# KiCad board beaglebone-ai.kicad_pcb (continued)
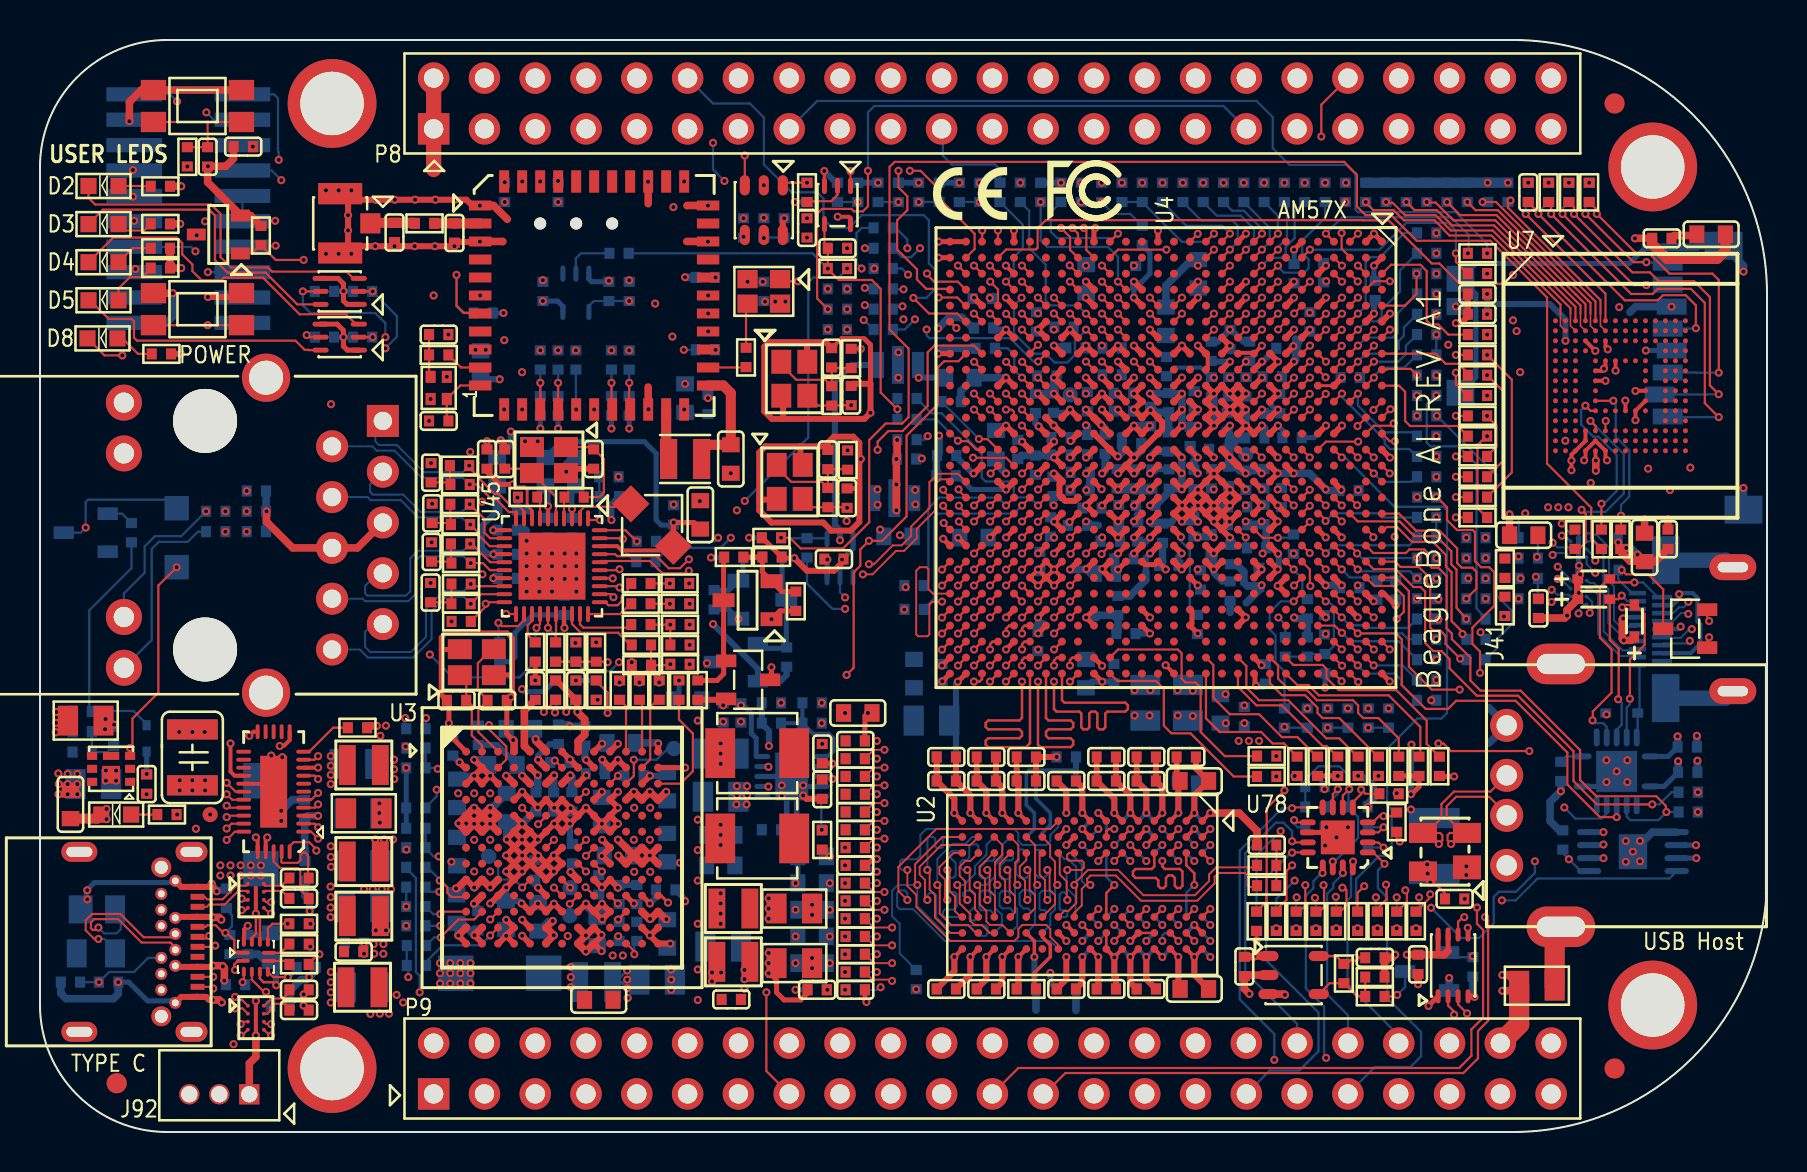
[diagram p0: board, top side]
## Nets
1V8_PHY_HDMI: C116.1 C149.1 C159.1 FB6.2 U4.AA16 U4.AA17 U4.W14 U4.Y17
1V8_PHY_LDO3: C121.1 FL1.1 U3.K11
1V8_PHY_LDO4: C117.1 FB6.1 U3.K12
1V8_PHY_SATA: C37.1 C163.1 C184.1 FL1.3 U4.AA13 U4.AB12 U4.V13 U4.W12
1V8_PLL: C123.1 C157.1 FL2.1 U3.B5 U4.AD16 U4.AE16
1V8_PLLA: C189.1 C199.1 C202.1 C207.1 C216.1 FL2.3 U4.M14 U4.N11 U4.N12 U4.N16 U4.P14 U4.P15 U4.P16 U4.R14 U4.R17
1V8_RTC: C38.1 R27.1 R150.1 R155.1 R157.1 U3.A8
3V3_AVDD_MII0: C346.1 C347.1 FB2.2 U45.14
3V3_SD: C151.1 C492.1 Q1.2 R8.1 R9.1 R418.1 R419.1 R420.1 R421.1 R422.1 R423.1 R424.1 U3.C6 U4.W8 U4.Y8
3V3_USB: C134.1 C148.1 U3.B9 U4.AA12 U4.Y12
GND_OSC0: C13.2 C14.2 R7.2 U4.AF15 X7.2 X7.4
GND_OSC1: C15.2 C16.2 R10.2 U4.AC14 X8.2 X8.4
GNDPWR: J37.15 J37.16 J41.5 J41.6 J42.1 J42.2 J42.3 J42.4 J90.10 J90.11 J90.12 J90.13 J91.20 J91.21 J91.22 J91.23 MH1.1 MH2.1 MH3.1 MH4.1 R640.2 R699.1
VDD_1V8: C136.1 C146.1 C152.1 C154.1 C165.1 C174.1 C198.1 C201.1 C210.1 C235.1 C299.1 D6.1 D7.1 Q1.3 Q4.3 R17.1 R91.1 R702.1 U3.B6 U4.AA7 U4.AA18 U4.AA19 U4.AB13 U4.G18 U4.H17 U4.J21 U4.J22 U4.M8 U4.M9 U4.N8 U4.N21 U4.P8 U4.P20 U4.P21 U4.R8 U4.T8 U4.V21 U4.V22 U4.W17 U4.W18 U4.W21 U4.Y7 U4.Y21
VDD_3V3: C2.1 C79.1 C88.1 C122.1 C125.1 C130.1 C145.1 C155.1 C161.1 C186.1 C192.1 C208.1 C245.1 C259.1 C261.1 C269.1 C270.1 C271.1 C272.1 C278.1 C286.1 C300.1 C325.1 C344.1 C345.1 C353.2 C439.1 C440.1 C461.1 C472.1 C491.1 C494.1 C498.1 FB2.1 FB5.1 J90.4 L22.2 OSC1.4 P2.5 P9.3 P9.4 Q4.2 R3.1 R4.1 R24.2 R38.1 R44.1 R54.1 R74.2 R82.2 R85.1 R87.1 R124.2 R134.2 R156.1 R162.1 R164.1 R168.1 R169.1 R173.1 R174.2 R180.2 R192.2 R193.2 R194.2 R338.1 R409.1 R455.1 R475.1 R481.2 R484.2 R485.2 R486.2 R491.2 R516.2 R530.1 R531.1 R541.1 R545.1 R546.1 R560.1 R561.1 R562.1 R563.1 R564.1 R565.1 R588.2 R590.1 R591.1 R592.1 R593.1 R594.1 R611.2 R689.1 R692.1 R693.1 R701.1 R703.1 R704.1 R705.1 U1.10 U3.D9 U3.J8 U4.AB6 U4.AB7 U4.AD5 U4.AD7 U4.AE7 U4.AF5 U4.B6 U4.B23 U4.C24 U4.D10 U4.D16 U4.D22 U4.E3 U4.E5 U4.E10 U4.E16 U4.E22 U4.G4 U4.G5 U4.G15 U4.H8 U4.H9 U4.H10 U4.H11 U4.H15 U4.H16 U4.H18 U4.H19 U4.N4 U4.N5 U4.P10 U4.R7 U4.R10 U4.T4 U4.T5 U4.U10 U4.V12 U4.W4 U4.W5 U6.5 U7.E6 U7.F5 U7.J10 U7.K9 U8.5 U10.6 U12.1 U37.9 U40.3 U45.3 U46.7 U46.8 U72.3 U72.9 U72.12 U72.16 U72.20 U72.29 U90.5
VDD_5V: C113.1 C114.1 C115.1 C126.1 C127.1 C128.1 C132.1 C139.1 C156.1 C164.1 C169.1 C170.1 C172.1 C194.1 C195.1 C196.1 C441.1 C442.1 C489.2 C497.1 D81.2 D82.2 P9.7 P9.8 R108.1 R130.1 U3.A6 U3.A9 U3.A10 U3.C4 U3.C5 U3.C7 U3.D11 U3.D12 U3.D13 U3.E1 U3.E2 U3.E3 U3.F1 U3.F2 U3.F3 U3.G11 U3.G12 U3.G13 U3.H11 U3.H12 U3.H13 U3.J1 U3.J2 U3.J3 U3.L12 U3.L13 U3.M4 U3.M6 U3.M8 U3.M9 U3.N3 U3.N4 U3.N6 U3.N8 U3.N9 U12.14 U22.12 U40.1 U48.2 U48.3
VDD_ADC: C490.1 P9.32 R656.2 U40.5
VDD_ADC_SEL: Q17.1 R659.1 U4.AD3
VDD_CAPE_5V: D82.1 P9.5 P9.6 Q19.1
VDD_CORE: C138.1 C176.1 C178.1 C185.1 C187.1 C190.1 C193.1 C200.1 C203.1 C218.1 C236.1 C242.1 C258.1 C266.1 C297.1 L20.2 U3.B1 U4.AB15 U4.H13 U4.H14 U4.J17 U4.J18 U4.L7 U4.L8 U4.N10 U4.N13 U4.P11 U4.P12 U4.P13 U4.R11 U4.R16 U4.R19 U4.T13 U4.T16 U4.T19 U4.U8 U4.U9 U4.U13 U4.U16 U4.V8 U4.V16
VDD_DDR: C4.1 C5.1 C9.1 C10.1 C11.1 C12.1 C17.1 C18.1 C19.1 C22.1 C23.1 C24.1 C25.1 C26.1 C36.1 C39.1 C40.1 C49.1 C58.1 C60.1 C61.1 C89.1 C94.1 C95.1 C97.1 C99.1 C100.1 C101.1 C102.1 C103.1 C104.1 C118.1 C119.1 C120.1 C124.1 C131.1 C140.1 C141.1 C143.1 C162.1 C166.1 C180.1 C211.1 C213.1 C224.1 C225.1 C227.1 C230.1 C231.1 C237.1 C262.1 C295.1 C462.1 L16.2 R2.1 R671.1 R672.1 R673.1 R674.1 R675.1 U1.2 U2.A1 U2.A8 U2.B2 U2.C1 U2.C9 U2.D2 U2.D9 U2.E9 U2.F1 U2.G7 U2.H2 U2.H9 U2.K2 U2.K8 U2.N1 U2.N9 U2.R1 U2.R9 U3.K13 U4.AA21 U4.AA22 U4.AB21 U4.AB22 U4.AB24 U4.AB25 U4.AC22 U4.AD26 U4.AG20 U4.AG28 U4.AH27 U4.E24 U4.G22 U4.G23 U4.H20 U4.H21 U4.H22 U4.J27 U4.L20 U4.L21 U4.M20 U4.M21 U4.T24 U4.T25 U4.W16 U4.W27 U11.A1 U11.A8 U11.B2 U11.C1 U11.C9 U11.D2 U11.D9 U11.E9 U11.F1 U11.G7 U11.H2 U11.H9 U11.K2 U11.K8 U11.N1 U11.N9 U11.R1 U11.R9
VDD_DIMM: C281.1 C283.1 U7.C2
VDD_DSPEVE: C215.1 C217.1 C220.1 C232.1 C233.1 C234.1 C256.1 C257.1 C263.1 C265.1 C298.1 L17.2 L18.2 U3.K2 U4.J13 U4.K10 U4.K11 U4.K12 U4.K13 U4.L10 U4.L11 U4.L12 U4.M10 U4.M11 U4.M12 U4.M13
VDD_EMMC: C282.1 C285.1 C496.1 R175.1 R176.1 R177.1 R178.1 R179.1 R184.1 R185.1 R186.1 R188.1 R702.2 R703.2 U4.J8 U4.K8 U7.C6 U7.M4 U7.N4 U7.P3 U7.P5
VDD_GPU: C171.1 C177.1 C182.1 C183.1 C238.1 C255.1 C264.1 L19.2 U3.K6 U4.U11 U4.U12 U4.V10 U4.V11 U4.V14 U4.W10 U4.W11 U4.W13
VDD_IVA: C93.1 C110.1 C175.1 C181.1 C296.1 L21.2 U3.L11 U4.U18 U4.U19 U4.V18 U4.V19
VDD_MPU: C96.1 C105.1 C111.1 C112.1 C168.1 C188.1 C197.1 C205.1 C206.1 C212.1 C221.1 C222.1 C223.1 C293.1 C294.1 L1.2 L2.2 U3.B13 U4.K17 U4.K18 U4.L15 U4.L16 U4.L17 U4.L18 U4.L19 U4.M15 U4.M16 U4.M17 U4.M18 U4.N17 U4.N18 U4.P17 U4.P18 U4.R18
VDD_RTC: C43.1 U3.A5
VDD_TYPEC: C480.1 C481.1 C482.1 C483.1 D81.1 Q15.1 Q15.2 Q15.5 Q15.6 Q15.7 Q19.2 R555.2
VDD_VREF_IN: C1.1 R1.1 R2.2 U1.1
/ADC_TF_Debug/UART1_RX: J92.2 U46.2
/ADC_TF_Debug/UART1_TX: J92.3 U46.3
/AM572x Interfaces/AM572x Interface 1/MII0_TX_CLK: R97.1 U4.W9
/AM572x Interfaces/AM572x Interface 1/MII0_TX_EN: R96.1 U4.V9
/AM572x Interfaces/AM572x Interface 1/MII0_TXD0: R92.1 U4.U6
/AM572x Interfaces/AM572x Interface 1/MII0_TXD1: R93.1 U4.V6
/AM572x Interfaces/AM572x Interface 1/MII0_TXD2: R94.1 U4.U7
/AM572x Interfaces/AM572x Interface 1/MII0_TXD3: R95.1 U4.V7
/AM572x Interfaces/AM572x Interface 1/PR2_MII0_RXD2: R608.1 U4.A19
/AM572x SYSTEM/MR_L: R595.1 U10.3
/AM572x SYSTEM/OSC0_IN: C13.1 R11.2 U4.AE15 X7.3
/AM572x SYSTEM/OSC0_OUT: R14.2 U4.AD15
/AM572x SYSTEM/OSC1_IN: C15.1 R12.2 U4.AC15 X8.3
/AM572x SYSTEM/OSC1_OUT: R15.2 U4.AC13
/AM572x SYSTEM/PORZ: C321.1 R595.2 S1.2 S1.4
/AM572x SYSTEM/PORZn: R70.2 U4.F22
/AM572x SYSTEM/RESETn: C267.1 R169.2 R642.1 U4.E23
/AM572x SYSTEM/RSTN: R83.1 U6.2
/AM572x SYSTEM/RSTOUTn: R57.1 U4.F23 U8.2
/AM572x SYSTEM/RTC_PORZn: C80.1 R70.1 R89.2 R90.2 R680.1 U6.4
/AM572x SYSTEM/SYS_WARMRESETn: P2.15 R642.2
/DDR/DDR Part 1/DDR1_D0: U4.AF25 U11.E3
/DDR/DDR Part 1/DDR1_D1: U4.AF26 U11.F2
/DDR/DDR Part 1/DDR1_D2: U4.AG26 U11.H7
/DDR/DDR Part 1/DDR1_D3: U4.AH26 U11.H8
/DDR/DDR Part 1/DDR1_D4: U4.AF24 U11.G2
/DDR/DDR Part 1/DDR1_D5: U4.AE24 U11.H3
/DDR/DDR Part 1/DDR1_D6: U4.AF23 U11.F7
/DDR/DDR Part 1/DDR1_D7: U4.AE23 U11.F8
/DDR/DDR Part 1/DDR1_D8: U4.AC23 U11.A2
/DDR/DDR Part 1/DDR1_D9: U4.AF27 U11.D7
/DDR/DDR Part 1/DDR1_D10: U4.AG27 U11.B8
/DDR/DDR Part 1/DDR1_D11: U4.AF28 U11.C8
/DDR/DDR Part 1/DDR1_D12: U4.AE26 U11.C3
/DDR/DDR Part 1/DDR1_D13: U4.AC25 U11.C2
/DDR/DDR Part 1/DDR1_D14: U4.AC24 U11.A7
/DDR/DDR Part 1/DDR1_D15: U4.AD25 U11.A3
/DDR/DDR Part 1/DDR1_D16: U2.H8 U4.V20
/DDR/DDR Part 1/DDR1_D17: U2.H7 U4.W20
/DDR/DDR Part 1/DDR1_D18: U2.E3 U4.AB28
/DDR/DDR Part 1/DDR1_D19: U2.F2 U4.AC28
/DDR/DDR Part 1/DDR1_D20: U2.G2 U4.AC27
/DDR/DDR Part 1/DDR1_D21: U2.F7 U4.Y19
/DDR/DDR Part 1/DDR1_D22: U2.H3 U4.AB27
/DDR/DDR Part 1/DDR1_D23: U2.F8 U4.Y20
/DDR/DDR Part 1/DDR1_D24: U2.A7 U4.AA23
/DDR/DDR Part 1/DDR1_D25: U2.D7 U4.Y22
/DDR/DDR Part 1/DDR1_D26: U2.C8 U4.Y23
/DDR/DDR Part 1/DDR1_D27: U2.C3 U4.AA24
/DDR/DDR Part 1/DDR1_D28: U2.B8 U4.Y24
/DDR/DDR Part 1/DDR1_D29: U2.A2 U4.AA26
/DDR/DDR Part 1/DDR1_D30: U2.A3 U4.AA25
/DDR/DDR Part 1/DDR1_D31: U2.C2 U4.AA28
/DDR/DDR Part 1/DDR1_DQM0: U4.AD23 U11.E7
/DDR/DDR Part 1/DDR1_DQM1: U4.AB23 U11.D3
/DDR/DDR Part 1/DDR1_DQM2: U2.E7 U4.AC26
/DDR/DDR Part 1/DDR1_DQM3: U2.D3 U4.AA27
/DDR/DDR Part 1/DDR1_DQS0: U4.AH25 U11.F3
/DDR/DDR Part 1/DDR1_DQS1: U4.AE27 U11.C7
/DDR/DDR Part 1/DDR1_DQS2: U2.F3 U4.AD27
/DDR/DDR Part 1/DDR1_DQS3: U2.C7 U4.Y28
/DDR/DDR Part 1/DDR1_DQSN0: U4.AG25 U11.G3
/DDR/DDR Part 1/DDR1_DQSN1: U4.AE28 U11.B7
/DDR/DDR Part 1/DDR1_DQSN2: U2.G3 U4.AD28
/DDR/DDR Part 1/DDR1_DQSN3: U2.B7 U4.Y27
/Ethernet/MII0_CLK_25M: R467.1 U45.23
/Ethernet/MII0_LED_10_100: J37.12 R660.2
/Ethernet/MII0_LED_1000: J37.11 R483.1 U45.22
/Ethernet/MII0_LED_ACT: J37.13 R482.1 U45.21
/Ethernet/MII0_LED_YEL: J37.14 R457.1
/Ethernet/MII0_MDC: R470.2 U45.40
/Ethernet/MII0_MDIO: R469.2 U45.39
/Ethernet/MII0_RBIAS: R465.1 U45.7
/Ethernet/MII0_RX_CLK: R466.2 U45.31
/Ethernet/MII0_RX_DV: R464.2 U45.30
/Ethernet/MII0_RXD0: R458.2 U45.29
/Ethernet/MII0_RXD1: R459.2 U45.28
/Ethernet/MII0_RXD2: R460.2 U45.26
/Ethernet/MII0_RXD3: R462.2 U45.25
/Ethernet/MII0_TR0: C338.1 R468.2 R472.2
/Ethernet/MII0_TR1: C341.1 R473.2 R474.2
/Ethernet/MII0_TR2: C342.1 R476.2 R477.2
/Ethernet/MII0_TR3: C343.1 R479.2 R480.2
/Ethernet/MII0_TRN0: J37.2 R472.1 U45.10
/Ethernet/MII0_TRN1: J37.4 R474.1 U45.13
/Ethernet/MII0_TRN2: J37.8 R477.1 U45.16
/Ethernet/MII0_TRN3: J37.10 R480.1 U45.19
/Ethernet/MII0_TRP0: J37.1 R468.1 U45.9
/Ethernet/MII0_TRP1: J37.3 R473.1 U45.12
/Ethernet/MII0_TRP2: J37.7 R476.1 U45.15
/Ethernet/MII0_TRP3: J37.9 R479.1 U45.18
/Ethernet/MII0_XI: C337.1 U45.5 X9.3
/Ethernet/MII0_XO: C334.1 R461.2 X9.1
/Ethernet/MII0_XO_R: R461.1 U45.4
/Ethernet/MII0D_LX: L15.2 U45.2
/Exp Conn/CLKOUT3: P9.41 R579.2 R580.2
/Exp Conn/GPIO4_3: P8.15 R681.2 R682.2
/Exp Conn/GPIO4_18: P9.42 R577.2 R578.2
/Exp Conn/I2C4_SCL: P9.19 R634.2 R635.2
/Exp Conn/I2C4_SDA: P9.20 R638.2 R639.2
/Exp Conn/I2C5_SCL: P9.17 R632.2 R633.2
/Exp Conn/I2C5_SDA: P9.18 R636.2 R637.2
/Exp Conn/LCD_CLK: P8.28 R622.2 R623.2
/Exp Conn/LCD_DATA0: P8.45 R662.2 R663.2
/Exp Conn/LCD_DATA1: P8.46 R664.2 R665.2
/Exp Conn/LCD_DATA8: P8.37 R626.2 R627.2
/Exp Conn/LCD_DATA9: P8.38 R630.2 R631.2
/Exp Conn/LCD_DATA10: P8.36 R685.2 R686.2
/Exp Conn/LCD_DATA11: P8.34 R683.2 R684.2
/Exp Conn/LCD_DATA12: P8.35 R628.2 R629.2
/Exp Conn/LCD_DATA13: P8.33 R614.2 R615.2
/Exp Conn/LCD_DATA14: P8.31 R618.2 R619.2
/Exp Conn/LCD_DATA15: P8.32 R616.2 R617.2
/Exp Conn/LCD_DE: P8.30 R620.2 R621.2
/Exp Conn/LCD_HSYNC: P8.29 R624.2 R625.2
/Exp Conn/LCD_VSYNC: P8.27 R666.2 R667.2
/Exp Conn/MCASP_FSR: P9.27 R668.2 R669.2
/Exp Conn/SPI3_D1: P9.29 R643.2 R644.2
/Exp Conn/SPI3_SCLK: P9.31 R645.2 R646.2
/Exp Conn/UART3_RXD: P9.22 R696.2 R697.2
/Exp Conn/UART3_TXD: P9.21 R694.2 R695.2
/Exp Conn/UART5_RXD: P9.11 R687.2 R688.2
/Exp Conn/UART10_RXD: P9.26 R652.2 R653.2
/HDMI/HDMI_CEC: D25.2 J91.15 U12.12
/HDMI/HDMI_CKN: J91.14 U91.A3
/HDMI/HDMI_CKP: J91.12 U91.A4
/HDMI/HDMI_HDP: D24.2 J91.1 U12.13
/HDMI/HDMI_SCL: D21.2 J91.17 U12.11
/HDMI/HDMI_SDA: D22.2 J91.18 U12.10
/HDMI/HDMI_T0N: J91.11 U91.A1
/HDMI/HDMI_T0P: J91.9 U91.A2
/HDMI/HDMI_T1N: J91.8 U92.A3
/HDMI/HDMI_T1P: J91.6 U92.A4
/HDMI/HDMI_T2N: J91.5 U92.A1
/HDMI/HDMI_T2P: J91.3 U92.A2
/MMC_UBOOT/MMC2_CLK: R202.1 U7.M6
/MMC_UBOOT/MMC2_CMD: R188.2 U4.H6 U7.M5
/MMC_UBOOT/MMC2_DAT0: R186.2 U4.J4 U7.A3
/MMC_UBOOT/MMC2_DAT1: R185.2 U4.J6 U7.A4
/MMC_UBOOT/MMC2_DAT2: R184.2 U4.H4 U7.A5
/MMC_UBOOT/MMC2_DAT3: R179.2 U4.H5 U7.B2
/MMC_UBOOT/MMC2_DAT4: R178.2 U4.K7 U7.B3
/MMC_UBOOT/MMC2_DAT5: R177.2 U4.M7 U7.B4
/MMC_UBOOT/MMC2_DAT6: R176.2 U4.J5 U7.B5
/MMC_UBOOT/MMC2_DAT7: R175.2 U4.K6 U7.B6
/USB/CC1: D46.2 J42.A5 R533.1 U22.1
/USB/CC2: D47.2 J42.B5 R534.1 U22.2
/USB/DC_SW_CTL: C457.2 D77.2 Q15.3 R553.2 R554.1
/USB/DIR: R541.2 U22.4 U72.10 U72.32
/USB/PWR_OV_CTL: D76.2 R551.2 R552.1
/USB/SSRX1+: J42.B11 U88.A3
/USB/SSRX1-: J42.B10 U88.A4
/USB/SSRX1N_A: U72.26 U88.C4
/USB/SSRX1P_A: U72.27 U88.C3
/USB/SSRX2+: J42.A11 U89.A3
/USB/SSRX2-: J42.A10 U89.A4
/USB/SSRX2N_A: U72.22 U89.C4
/USB/SSRX2P_A: U72.23 U89.C3
/USB/SSTX1+: J42.A2 U88.A1
/USB/SSTX1-: J42.A3 U88.A2
/USB/SSTX1N_A: C444.1 U88.C2
/USB/SSTX1N_C: C444.2 U72.30
/USB/SSTX1P_A: C443.1 U88.C1
/USB/SSTX1P_C: C443.2 U72.31
/USB/SSTX2+: J42.B2 U89.A1
/USB/SSTX2-: J42.B3 U89.A2
/USB/SSTX2N_A: C445.1 U89.C2
/USB/SSTX2N_C: C445.2 U72.24
/USB/SSTX2P_A: C446.1 U89.C1
/USB/SSTX2P_C: C446.2 U72.25
/WiFi/LPO_IN_32K: R576.2 U37.24
/WiFi/MMC4_DATA0_R: R336.2 R564.2 U37.18
/WiFi/MMC4_DATA1_R: R337.2 R565.2 U37.19
/WiFi/MMC4_DATA2_R: R333.2 R561.2 U37.14
/WiFi/MMC4_DATA3_R: R334.2 R562.2 U37.15
/WiFi/WIFI/BT_VDDIO: C3.1 R611.1 U37.22
/WiFi/WIFI_LDO_IN: C464.1 L30.2 U37.23
/WiFi/WIFI_LDO_OUT: L30.1 U37.21
/WiFi/X4_XTAL_IN: R294.2 U37.10
/WiFi/X4_XTAL_IN_R: C463.1 R294.1 X4.3
/WiFi/X4_XTAL_OUT: C68.1 U37.11 X4.1
A3_GPIO4_27: R682.1 U4.A3
A5_VOUT1_D12: R628.1 U4.A5
A7_GPIO8_18: P8.17 U4.A7
A8_GPIO8_19: R667.1 U4.A8
A9_GPIO8_21: R624.1 U4.A9
A10_GPIO8_23: R665.1 U4.A10
A11_SPI3_D1: R643.1 U4.A11
A12_SPI3_CS0: P9.28 U4.A12
A13_TIMER10: P8.10 U4.A13
A21_UART8_TXD: R627.1 U4.A21
A22_SPI2_CS1: P9.23 U4.A22
A26_UART3_RXD: R697.1 U4.A26
AB5_MMC3_DATA7: P8.4 U4.AB5
AB8_MMC3_DATA6: P8.3 U4.AB8
AC3_MMC3_DATA3: P8.6 U4.AC3
AC4_MMC3_CMD: P8.20 U4.AC4
AC6_MMC3_DATA1: P8.24 U4.AC6
AC7_MMC3_DATA0: P8.25 U4.AC7
AC8_MMC3_DATA4: P8.23 U4.AC8
AC9_MMC3_DATA2: P8.5 U4.AC9
AD4_MMC3_CLK: P8.21 R585.1
AD6_MMC3_DATA5: P8.22 U4.AD6
AD9_EQEP1A_IN: R629.1 U4.AD9
AE2_GPIO3_24: R653.1 U4.AE2
AF8_TIMER13: R694.1 U4.AF8
AF9_EQEP1B_IN: R615.1 U4.AF9
AG4_GPIO3_12: P9.15 U4.AG4
AG6_GPIO3_10: P8.12 U4.AG6
AH4_GPIO3_11: P8.11 U4.AH4
AIN0: P9.39 U78.13
AIN1: P9.40 U78.16
AIN2: P9.37 U78.1
AIN3: P9.38 U78.15
AIN4: P9.33 U78.12
AIN5: P9.36 U78.11
AIN6: P9.35 U78.8
B3_GPIO4_28: P8.26 U4.B3
B4_GPIO4_29: P8.16 U4.B4
B7_GPIO8_16: R663.1 U4.B7
B8_GPIO8_17: R688.1 U4.B8
B9_GPIO8_22: R621.1 U4.B9
B10_VOUT1_DE: R620.1 U4.B10
B12_SPI3_SCLK: R645.1 U4.B12
B13_SPI3_D0: P9.30 U4.B13
B14_MCASP_ACLKR: P9.12 U4.B14
B19_UART5_RXD: R687.1 U4.B19
B22_UART3_TXD: R695.1 U4.B22
B24_SPI2_CS0: R632.1 U4.B24
B26_TIMER15: R696.1 U4.B26
C1_GPIO4_7: R580.1 U4.C1
C2_GPIO4_14: R578.1 U4.C2
C3_GPIO4_15: R668.1 U4.C3
C5_EHRPWM3B: P9.16 U4.C5
C6_VOUT1_D13: R614.1 U4.C6
C7_VOUT1_D15: R616.1 U4.C7
C8_VOUT1_D14: R619.1 U4.C8
C9_GPIO8_20: R623.1 U4.C9
C11_VOUT1_HSYNC: R625.1 U4.C11
C14_MCASP1_ACLKx: R646.1 U4.C14
C17_UART5_TXD: P9.13 U4.C17
C18_UART8_RXD: R630.1 U4.C18
C23_CLKOUT3: R579.1 U4.C23
D1_GPIO4_3: R681.1 U4.D1
D2_UART8_CTSN: R639.1 U4.D2
D3_EHRPWM2B: P8.13 U4.D3
D5_GPIO4_13: P8.14 U4.D5
D6_EHRPWM3A: P9.14 U4.D6
D7_VOUT1_D10: R685.1 U4.D7
D8_VOUT1_D11: R683.1 U4.D8
D9_VOUT1_D9: R631.1 U4.D9
D11_VOUT1_CLK: R622.1 U4.D11
D14_MCASP1_FSX: R644.1 U4.D14
D17_UART8_RTSN: R617.1 U4.D17
D18_DPIO6_17: P9.25 R584.1
DDR1_A0: R36.2 U2.N3 U4.AD20 U11.N3
DDR1_A1: R137.2 U2.P7 U4.AC19 U11.P7
DDR1_A2: R37.2 U2.P3 U4.AC20 U11.P3
DDR1_A3: R39.2 U2.N2 U4.AB19 U11.N2
DDR1_A4: R136.2 U2.P8 U4.AF21 U11.P8
DDR1_A5: R43.2 U2.P2 U4.AH22 U11.P2
DDR1_A6: R131.2 U2.R8 U4.AG23 U11.R8
DDR1_A7: R160.2 U2.R2 U4.AE21 U11.R2
DDR1_A8: R123.2 U2.T8 U4.AF22 U11.T8
DDR1_A9: R40.2 U2.R3 U4.AE22 U11.R3
DDR1_A10: R125.2 U2.L7 U4.AD21 U11.L7
DDR1_A11: R31.2 U2.R7 U4.AD22 U11.R7
DDR1_A12: R132.2 U2.N7 U4.AC21 U11.N7
DDR1_A13: R142.2 U2.T3 U4.AF18 U11.T3
DDR1_A14: R128.2 U2.T7 U4.AE17 U11.T7
DDR1_A15: R30.2 U2.M7 U4.AD18 U11.M7
DDR1_BA0: R33.2 U2.M2 U4.AF17 U11.M2
DDR1_BA1: R34.2 U2.N8 U4.AE18 U11.N8
DDR1_BA2: R42.2 U2.M3 U4.AB18 U11.M3
DDR1_CASN: R140.2 U2.K3 U4.AC18 U11.K3
DDR1_CKE: R126.2 U2.K9 U4.AG22 U11.K9
DDR1_CLK0: R26.2 U2.J7 U4.AG24 U11.J7
DDR1_CLK0N: R29.2 U2.K7 U4.AH24 U11.K7
DDR1_CSN0: R129.2 U2.L2 U4.AH23 U11.L2
DDR1_ODT0: R161.2 U2.K1 U4.AE20 U11.K1
DDR1_RASN: R25.2 U2.J3 U4.AF20 U11.J3
DDR1_RST: R139.1 U2.T2 U4.AG21 U11.T2
DDR1_WEN: R143.2 U2.L3 U4.AH21 U11.L3
DDR_VREFSTL: C8.1 C20.1 C35.1 C98.1 C99.2 C143.2 C144.1 C158.1 C209.1 U1.6 U2.H1 U2.M8 U4.N22 U4.Y18 U11.H1 U11.M8
E6_EHRPWM2A: P8.19 U4.E6
E7_LCD_DATA7: P8.40 U4.E7
E8_VOUT1_D8: R626.1 U4.E8
E9_LCD_DATA4: P8.41 U4.E9
E11_VOUT1_VSYNC: R666.1 U4.E11
E14_GPIO4_18: R577.1 U4.E14
E17_TIMER14: P8.9 U4.E17
E21_UAR10_RXD: R652.1 U4.E21
Earth: C1.2 C2.2 C3.2 C4.2 C5.2 C6.2 C7.2 C8.2 C9.2 C10.2 C11.2 C12.2 C17.2 C18.2 C19.2 C20.2 C22.2 C23.2 C24.2 C25.2 C26.2 C35.2 C36.2 C37.2 C38.2 C39.2 C40.2 C41.1 C42.1 C43.2 C51.1 C52.1 C58.2 C68.2 C69.2 C79.2 C80.2 C81.2 C87.2 C88.2 C89.2 C90.2 C91.2 C92.2 C93.2 C94.2 C95.2 C96.2 C97.2 C98.2 C100.2 C101.2 C102.2 C103.2 C104.2 C105.2 C106.2 C107.2 C108.2 C109.2 C110.2 C111.2 C112.2 C113.2 C114.2 C115.2 C116.2 C117.2 C118.2 C119.2 C120.2 C121.2 C122.2 C123.2 C124.2 C125.2 C126.2 C127.2 C128.2 C130.2 C131.2 C132.2 C133.2 C134.2 C136.2 C138.2 C139.2 C140.2 C141.2 C144.2 C145.2 C146.2 C147.1 C148.2 C149.2 C151.2 C152.2 C153.1 C154.2 C155.2 C156.2 C157.2 C158.2 C159.2 C161.2 C162.2 C163.2 C164.2 C165.2 C166.2 C168.2 C169.2 C170.2 C171.2 C172.2 C174.2 C175.2 C176.2 C177.2 C178.2 C179.2 C180.2 C181.2 C182.2 C183.2 C184.2 C185.2 C186.2 C187.2 C188.2 C189.2 C190.2 C192.2 C193.2 C194.2 C195.2 C196.2 C197.2 C198.2 C199.2 C200.2 C201.2 C202.2 C203.2 C204.2 C205.2 C206.2 C207.2 C208.2 C209.2 C210.2 C211.2 C212.2 C213.2 C214.2 C215.2 C216.2 C217.2 C218.2 C220.2 C221.2 C222.2 C223.2 C224.2 C226.1 C227.2 C230.2 C231.2 C232.2 C233.2 C234.2 C235.2 C236.2 C237.2 C238.2 C242.2 C245.2 C254.2 C255.2 C256.2 C257.2 C258.2 C259.2 C260.2 C261.2 C262.2 C263.2 C264.2 C265.2 C266.2 C267.2 C268.2 C269.2 C270.2 C271.2 C272.2 C273.2 C274.2 C275.2 C276.2 C277.2 C278.2 C279.2 C281.2 C282.2 C283.2 C285.2 C286.2 C291.2 C292.2 C293.2 C294.2 C295.2 C296.2 C297.2 C298.2 C299.2 C300.2 C320.1 C321.2 C325.2 C326.2 C327.2 C334.2 C335.2 C336.2 C337.2 C338.2 C339.2 C340.2 C341.2 C342.2 C343.2 C344.2 C345.2 C346.2 C347.2 C348.2 C349.2 C350.2 C351.2 C352.2 C353.1 C439.2 C440.2 C441.2 C442.2 C456.2 C461.2 C462.2 C463.2 C464.2 C466.2 C472.2 C473.2 C480.2 C481.2 C482.2 C483.2 C488.2 C489.1 C490.2 C491.2 C492.2 C494.2 C495.2 C496.2 C497.2 C498.2 D1.2 D21.1 D22.1 D23.1 D24.1 D25.1 D46.1 D47.1 D76.1 D78.1 D79.1 FL1.2 FL2.2 J33.2 J33.3 J41.4 J42.A1 J42.A12 J42.B1 J42.B12 J90.6 J91.4 J91.7 J91.10 J91.13 J91.16 J92.1 OSC1.2 P2.4 P2.8 P2.10 P2.12 P2.16 P2.20 P8.1 P8.2 P9.1 P9.2 P9.34 P9.43 P9.44 P9.45 P9.46 Q17.2 Q18.2 R1.2 R7.1 R10.1 R18.1 R19.1 R20.1 R22.1 R58.1 R88.1 R98.2 R99.2 R100.2 R101.2 R102.2 R103.1 R104.1 R107.1 R112.2 R113.1 R119.2 R121.1 R139.2 R147.1 R151.1 R182.2 R183.2 R189.1 R201.2 R387.2 R389.2 R390.2 R392.2 R413.1 R465.2 R467.2 R487.2 R488.1 R489.1 R490.1 R493.2 R533.2 R534.2 R537.2 R554.2 R571.2 R572.1 R596.2 R597.2 R598.2 R599.2 R600.2 R601.2 R602.2 R603.2 R604.2 R605.2 R606.2 R640.1 R657.1 R659.2 R661.2 R670.2 R676.2 R677.2 R678.2 R679.2 R690.2 R691.2 R699.2 R700.2 S1.1 S1.3 S3.1 S3.3 T1.1 T1.4 T2.1 T2.4 U1.4 U1.8 U1.11 U2.A9 U2.B1 U2.B3 U2.B9 U2.D1 U2.D8 U2.E1 U2.E2 U2.E8 U2.F9 U2.G1 U2.G8 U2.G9 U2.J2 U2.J8 U2.M1 U2.M9 U2.P1 U2.P9 U2.T1 U2.T9 U3.A1 U3.A4 U3.A7 U3.A13 U3.B2 U3.B8 U3.B10 U3.B11 U3.C1 U3.C2 U3.C3 U3.C12 U3.D4 U3.D5 U3.D6 U3.D7 U3.D10 U3.E4 U3.E7 U3.E8 U3.E9 U3.E10 U3.F4 U3.F5 U3.F6 U3.F7 U3.F9 U3.F10 U3.G4 U3.G5 U3.G7 U3.G10 U3.H4 U3.H5 U3.H6 U3.H7 U3.H10 U3.J4 U3.J6 U3.J9 U3.J10 U3.K3 U3.L5 U3.L6 U3.L7 U3.L8 U3.L9 U3.L10 U3.M1 U3.M2 U3.M12 U3.M13 U3.N1 U3.N2 U3.N13 U4.A1 U4.A2 U4.A6 U4.A14 U4.A23 U4.A28 U4.AA8 U4.AA9 U4.AA10 U4.AA11 U4.AA14 U4.AA15 U4.AA20 U4.AB11 U4.AB14 U4.AB20 U4.AD1 U4.AD10 U4.AD13 U4.AD19 U4.AD24 U4.AE10 U4.AE13 U4.AE19 U4.AG1 U4.AH1 U4.AH2 U4.AH8 U4.AH20 U4.AH28 U4.B1 U4.D13 U4.D19 U4.E13 U4.E19 U4.F1 U4.F7 U4.G7 U4.G8 U4.G9 U4.H12 U4.J12 U4.J15 U4.J28 U4.K1 U4.K4 U4.K5 U4.K15 U4.K24 U4.K25 U4.L13 U4.L14 U4.M19 U4.N14 U4.N15 U4.N19 U4.N24 U4.N25 U4.P28 U4.R1 U4.R12 U4.R13 U4.R15 U4.R21 U4.T10 U4.T11 U4.T12 U4.T14 U4.T15 U4.T17 U4.T18 U4.T21 U4.U14 U4.U15 U4.U17 U4.U20 U4.U21 U4.V15 U4.V17 U4.W1 U4.W15 U4.W24 U4.W25 U4.W28 U6.3 U7.C4 U7.E7 U7.G5 U7.H10 U7.K8 U7.N2 U7.N5 U7.P4 U7.P6 U8.3 U10.2 U11.A9 U11.B1 U11.B3 U11.B9 U11.D1 U11.D8 U11.E1 U11.E2 U11.E8 U11.F9 U11.G1 U11.G8 U11.G9 U11.J2 U11.J8 U11.M1 U11.M9 U11.P1 U11.P9 U11.T1 U11.T9 U12.7 U12.15 U22.5 U22.10 U22.11 U37.1 U37.3 U37.20 U37.31 U37.33 U37.36 U40.2 U45.41 U46.1 U46.4 U48.1 U48.9 U72.21 U72.28 U72.33 U78.10 U78.17 U88.B1 U88.B2 U89.B1 U89.B2 U90.3 U91.B1 U91.B2 U92.B1 U92.B2 X4.2 X4.4 X6.2 X6.4 X9.2 X9.4
eMMC_RSTn: R56.2 U7.K5
F2_GPIO4_1: R686.1 U4.F2
F4_UART10_RTSN: R635.1 U4.F4
F5_GPIO4_9: P8.18 U4.F5
F8_LCD_DATA6: P8.39 U4.F8
F9_LCD_DATA5: P8.42 U4.F9
F10_LCD_DATA2: P8.43 U4.F10
F11_VOUT1_D0: R662.1 U4.F11
F12_GPIO5_3: R633.1 U4.F12
F14_TIMER12: P8.8 U4.F14
F20_UART10_TXD: P9.24 U4.F20
G6_GPIO4_0: R684.1 U4.G6
G10_VOUT1_D1: R664.1 U4.G10
G11_LCD_DATA3: P8.44 U4.G11
G12_GPIO5_2: R636.1 U4.G12
G14_TIMER11: P8.7 U4.G14
G16_UART8_CTSN: R618.1 U4.G16
G17_SPI2_D0: R637.1 U4.G17
GPIO3_7: Q18.1 R700.1 U4.AH6
GPIO3_14: R387.1 T1.2 U4.AG3
GPIO3_15: R389.1 T1.5 U4.AG5
GPIO3_17: R392.1 T2.5 U4.AF6
GPIO3_18: U4.AF3 U37.12
GPIO3_20: R338.2 U4.AF1 U37.7
GPIO3_21: U4.AE3 U37.6
GPIO3_22: U4.AE5 U37.34
GPIO3_23: U4.AE1 U37.13
GPIO5_18: R516.1 U4.V2 U48.5
GPIO5_19: R475.2 U4.Y1 U45.20
GPMC_AD0: R596.1 R692.2 U4.M6
GPMC_AD1: R597.1 R689.2 U4.M2
GPMC_AD2: R598.1 R693.2 U4.L5
GPMC_AD3: R38.2 R493.1 U4.M1
GPMC_AD4: R164.2 R690.1 U4.L6
GPMC_AD5: R162.2 R691.1 U4.L4
GPMC_AD6: R599.1 U4.L3
GPMC_AD7: R600.1 U4.L2
GPMC_AD8: R44.2 U4.L1
GPMC_AD9: R601.1 U4.K2
GPMC_AD10: R602.1 U4.J1
GPMC_AD11: R603.1 U4.J2
GPMC_AD12: R604.1 U4.H1
GPMC_AD13: R605.1 U4.J3
GPMC_AD14: R606.1 U4.H2
GPMC_AD15: R168.2 U4.H3
H5V: D23.2 J91.19 Q19.3
HDMI_CLKN: U4.AG16 U91.C3
HDMI_CLKP: U4.AH16 U91.C4
HDMI_DATA0N: U4.AG17 U91.C1
HDMI_DATA0P: U4.AH17 U91.C2
HDMI_DATA1N: U4.AG18 U92.C3
HDMI_DATA1P: U4.AH18 U92.C4
HDMI_DATA2N: U4.AG19 U92.C1
HDMI_DATA2P: U4.AH19 U92.C2
HDMI_DDC_CEC: R409.2 U4.B20 U12.3
HDMI_DDC_HPD: R705.2 U4.B21 U12.2
HDMI_DDC_SCL: R530.2 U4.C25 U12.4
HDMI_DDC_SDA: R531.2 U4.F17 U12.5
I2C1_SCL: R148.1 R149.1 R193.1 R542.1 R706.1 U4.C20
I2C1_SDA: R145.1 R146.1 R194.1 R543.1 R707.1 U4.C21
ID: R546.2 U4.AG2 U22.9
INT_ADC: R567.2 U4.AG8 U78.2
INT_TYPEC: R545.2 U4.AE6 U22.6
J14_MCASP_FSR: R669.1 U4.J14
JTAG_EMU0: P2.13 R192.1 U4.G21
JTAG_EMU1: P2.14 R180.1 U4.D24
JTAG_RTCK: P2.9 P2.11 R199.2 R200.2
JTAG_TDI: P2.3 U4.D23
JTAG_TDO: P2.7 U4.F19
JTAG_TMS: P2.1 U4.F18
JTAG_TRSTn: P2.2 R189.2 U4.D20
MCASP2_ACLKX: R608.2 U37.26
MCASP2_AXR0: R609.2 U37.27
MCASP2_AXR1: R610.2 U4.A15
MCASP2_FSX: R607.2 U37.28
MDIO_CLK: R24.1 R470.1 U4.V1
MDIO_D: R134.1 R469.1 U4.U4
MII0_RESETn: C495.1 R455.2 R641.2 R698.1 U45.1 U90.4
MII0A_1.1V: C348.1 C351.1 C352.1 FB3.2 U45.6 U45.11 U45.17
MII0D_1.1V: C349.1 C350.1 FB3.1 L15.1 U45.38
MII0D_2.5V: C339.1 C340.1 R457.2 R463.1 R482.2 R483.2 U45.8 U45.27
MMC1_CLK: C473.1 J90.5 R421.2 R583.1
MMC1_CMD: J90.3 R420.2 U4.Y6
MMC1_DATA0: J90.7 R422.2 U4.AA6
MMC1_DATA1: J90.8 R423.2 U4.Y4
MMC1_DATA2: J90.1 R418.2 U4.AA5
MMC1_DATA3: J90.2 R419.2 U4.Y3
MMC1_SDCD: J90.9 R424.2 U4.W7
MMC4_CLK: R582.1 U37.17
MMC4_CMD: R563.2 R581.1 U37.16
MMC4_DATA0: R336.1 U4.D28
MMC4_DATA1: R337.1 U4.D26
MMC4_DATA2: R333.1 U4.D27
MMC4_DATA3: R334.1 U4.C28
PMIC_INT: R152.2 U4.F21
PMIC_RSTOUTn: R124.1 U3.G6 U6.1
PWR_BUT: C320.2 P9.9 R589.1 S3.2 S3.4
R6_GPIO7_3: R634.1 U4.R6
RGMII0_RXC: R466.1 R491.1 U4.U5
RGMII0_RXCTL: R464.1 R487.1 U4.V5
RGMII0_RXD0: R458.1 R486.1 R488.2 U4.W2
RGMII0_RXD1: R459.1 R484.1 R489.2 U4.Y2
RGMII0_RXD2: R460.1 R485.1 R490.2 U4.V3
RGMII0_RXD3: R462.1 R481.1 U4.V4
RGMII0_TXC: R97.2 U45.33
RGMII0_TXCTL: R96.2 U45.32
RGMII0_TXD0: R92.2 U45.34
RGMII0_TXD1: R93.2 U45.35
RGMII0_TXD2: R94.2 U45.36
RGMII0_TXD3: R95.2 U45.37
RGMII_RST: R698.2 U4.N1
RST_PMIC_L: R57.2 R58.2 R159.1
STATUS_LED0: R390.1 T2.2 U4.J11
SYS_RESETn1: R680.2 U90.2
SYS_RESETn2: P9.10 R55.2
T9_GPIO_4: R638.1 U4.T9
TypeC_VBUS: C456.1 C457.1 J42.A4 J42.A9 J42.B4 J42.B9 Q14.2 Q15.4 Q15.8 R540.2 R551.1 R553.1 R555.1
UART1_RXD: R173.2 U4.B27 U46.6
UART1_TXD: U4.C26 U46.5
UART6_CTSN: R413.2 U4.R5 U37.41
UART6_RTSN: R560.2 U4.P5 U37.44
UART6_RXD: U4.P6 U37.42
UART6_TXD: U4.R9 U37.43
USB1_DM: D78.3 J42.A7 J42.B7 U4.AC12
USB1_DP: D78.2 J42.A6 J42.B6 U4.AD12
USB2_DM: D79.2 J41.2 U4.AF11
USB2_DP: D79.3 J41.3 U4.AE11
USB2_DRVVBUS: R112.1 U4.AC10 U48.4
USB_RXN0: U4.AF12 U72.5
USB_RXP0: U4.AE12 U72.4
USB_TXN0: U4.AC11 U72.2
USB_TXP0: U4.AD11 U72.1
USB_VBUS: C326.1 C327.1 D79.4 J41.1 U48.6 U48.7 U48.8
VTT: C6.1 C7.1 C41.2 C42.2 C60.2 C61.2 C90.1 C91.1 C153.2 C225.2 C226.2 C291.1 C292.1 R25.1 R30.1 R31.1 R33.1 R34.1 R36.1 R37.1 R39.1 R40.1 R42.1 R43.1 R84.2 R123.1 R125.1 R126.1 R128.1 R129.1 R131.1 R132.1 R136.1 R137.1 R140.1 R142.1 R143.1 R160.1 R161.1 U1.3
Net-(C14-Pad1): C14.1 R11.1 R14.1 X7.1
Net-(C16-Pad1): C16.1 R12.1 R15.1 X8.1
Net-(C49-Pad2): C49.2 R26.1 R29.1
Net-(C51-Pad2): C51.2 U3.A3 X6.3
Net-(C52-Pad2): C52.2 U3.A2 X6.1
Net-(C69-Pad1): C69.1 R54.2 R55.1 R56.1 R641.1 U8.4
Net-(C81-Pad1): C81.1 U10.4
Net-(C87-Pad1): C87.1 R74.1 U10.5
Net-(C92-Pad1): C92.1 R84.1 U1.5
Net-(C106-Pad1): C106.1 U4.Y13
Net-(C107-Pad1): C107.1 U4.Y14
Net-(C108-Pad1): C108.1 U4.Y15
Net-(C109-Pad1): C109.1 U4.Y16
Net-(C133-Pad1): C133.1 U3.C8
Net-(C147-Pad2): C147.2 U3.B7
Net-(C179-Pad1): C179.1 U4.T20
Net-(C204-Pad1): C204.1 U4.R20
Net-(C214-Pad1): C214.1 U4.P19
Net-(C254-Pad1): C254.1 U4.K19
Net-(C260-Pad1): C260.1 U4.J19
Net-(C268-Pad1): C268.1 J33.1 R385.1
Net-(C273-Pad1): C273.1 U4.J16
Net-(C274-Pad1): C274.1 U4.J9
Net-(C275-Pad1): C275.1 U4.J10
Net-(C276-Pad1): C276.1 U4.L9
Net-(C277-Pad1): C277.1 U4.K9
Net-(C279-Pad1): C279.1 U4.K16
Net-(C335-Pad1): C335.1 C336.1 J37.5 J37.6 R463.2
Net-(C466-Pad1): C466.1 FB5.2 R566.1 R567.1 U78.6 U78.14
Net-(C488-Pad1): C488.1 R385.2 U37.2
Net-(D1-Pad1): D1.1 R594.2
Net-(D2-Pad1): D2.1 R593.2
Net-(D2-Pad2): D2.2 T2.3
Net-(D3-Pad1): D3.1 R592.2
Net-(D3-Pad2): D3.2 T2.6
Net-(D4-Pad1): D4.1 R591.2
Net-(D4-Pad2): D4.2 T1.3
Net-(D5-Pad1): D5.1 R590.2
Net-(D5-Pad2): D5.2 T1.6
Net-(D6-Pad2): D6.2 R8.2 R13.1 R17.2
Net-(D6-Pad3): D6.3 Q1.1 R9.2 R13.2
Net-(D7-Pad2): D7.2 R86.1 R87.2 R91.2
Net-(D7-Pad3): D7.3 Q4.1 R85.2 R86.2
Net-(D8-Pad1): D8.1 R701.2
Net-(D8-Pad2): D8.2 Q18.3
Net-(D77-Pad1): D77.1 Q14.3
Net-(L1-Pad1): L1.1 U3.E11 U3.E12 U3.E13
Net-(L2-Pad1): L2.1 U3.F11 U3.F12 U3.F13
Net-(L16-Pad1): L16.1 U3.J11 U3.J12 U3.J13
Net-(L17-Pad1): L17.1 U3.G1 U3.G2 U3.G3
Net-(L18-Pad1): L18.1 U3.H1 U3.H2 U3.H3
Net-(L19-Pad1): L19.1 U3.M5 U3.N5
Net-(L20-Pad1): L20.1 U3.D1 U3.D2 U3.D3
Net-(L21-Pad1): L21.1 U3.M10 U3.N10
Net-(L22-Pad1): L22.1 U3.M7 U3.N7
Net-(OSC1-Pad1): OSC1.1 R588.1
Net-(OSC1-Pad3): OSC1.3 R576.1
Net-(Q14-Pad1): Q14.1 R552.2
Net-(Q17-Pad3): Q17.3 R658.2
Net-(R3-Pad2): R3.2 U1.9
Net-(R4-Pad2): R4.2 U1.7
Net-(R18-Pad2): R18.2 U3.C13
Net-(R19-Pad2): R19.2 U3.B12
Net-(R20-Pad2): R20.2 U3.A12
Net-(R22-Pad2): R22.2 U2.L8
Net-(R27-Pad2): R27.2 U3.E5
Net-(R82-Pad1): R82.1 R83.2 U10.1
Net-(R88-Pad2): R88.2 U11.L8
Net-(R89-Pad1): R89.1 U4.AF14
Net-(R90-Pad1): R90.1 U4.AB17
Net-(R98-Pad1): R98.1 U4.AB16
Net-(R99-Pad1): R99.1 U4.AC16
Net-(R100-Pad1): R100.1 U4.AE14
Net-(R101-Pad1): R101.1 U4.AD17
Net-(R102-Pad1): R102.1 U4.AC17
